# Altium PCB FPGA_SHIELD_MARK1_RA1_2.PcbDoc (part 4 of 4)
Units mil, origin at the board's own origin, x right, y up, seen from the top; angles counter-clockwise.
Board outline 3471 x 2686 mil, 4 copper layers (Top Layer, GND, VDD, Bottom Layer); 176 components, 185 nets, 820 pads, 591 vias.
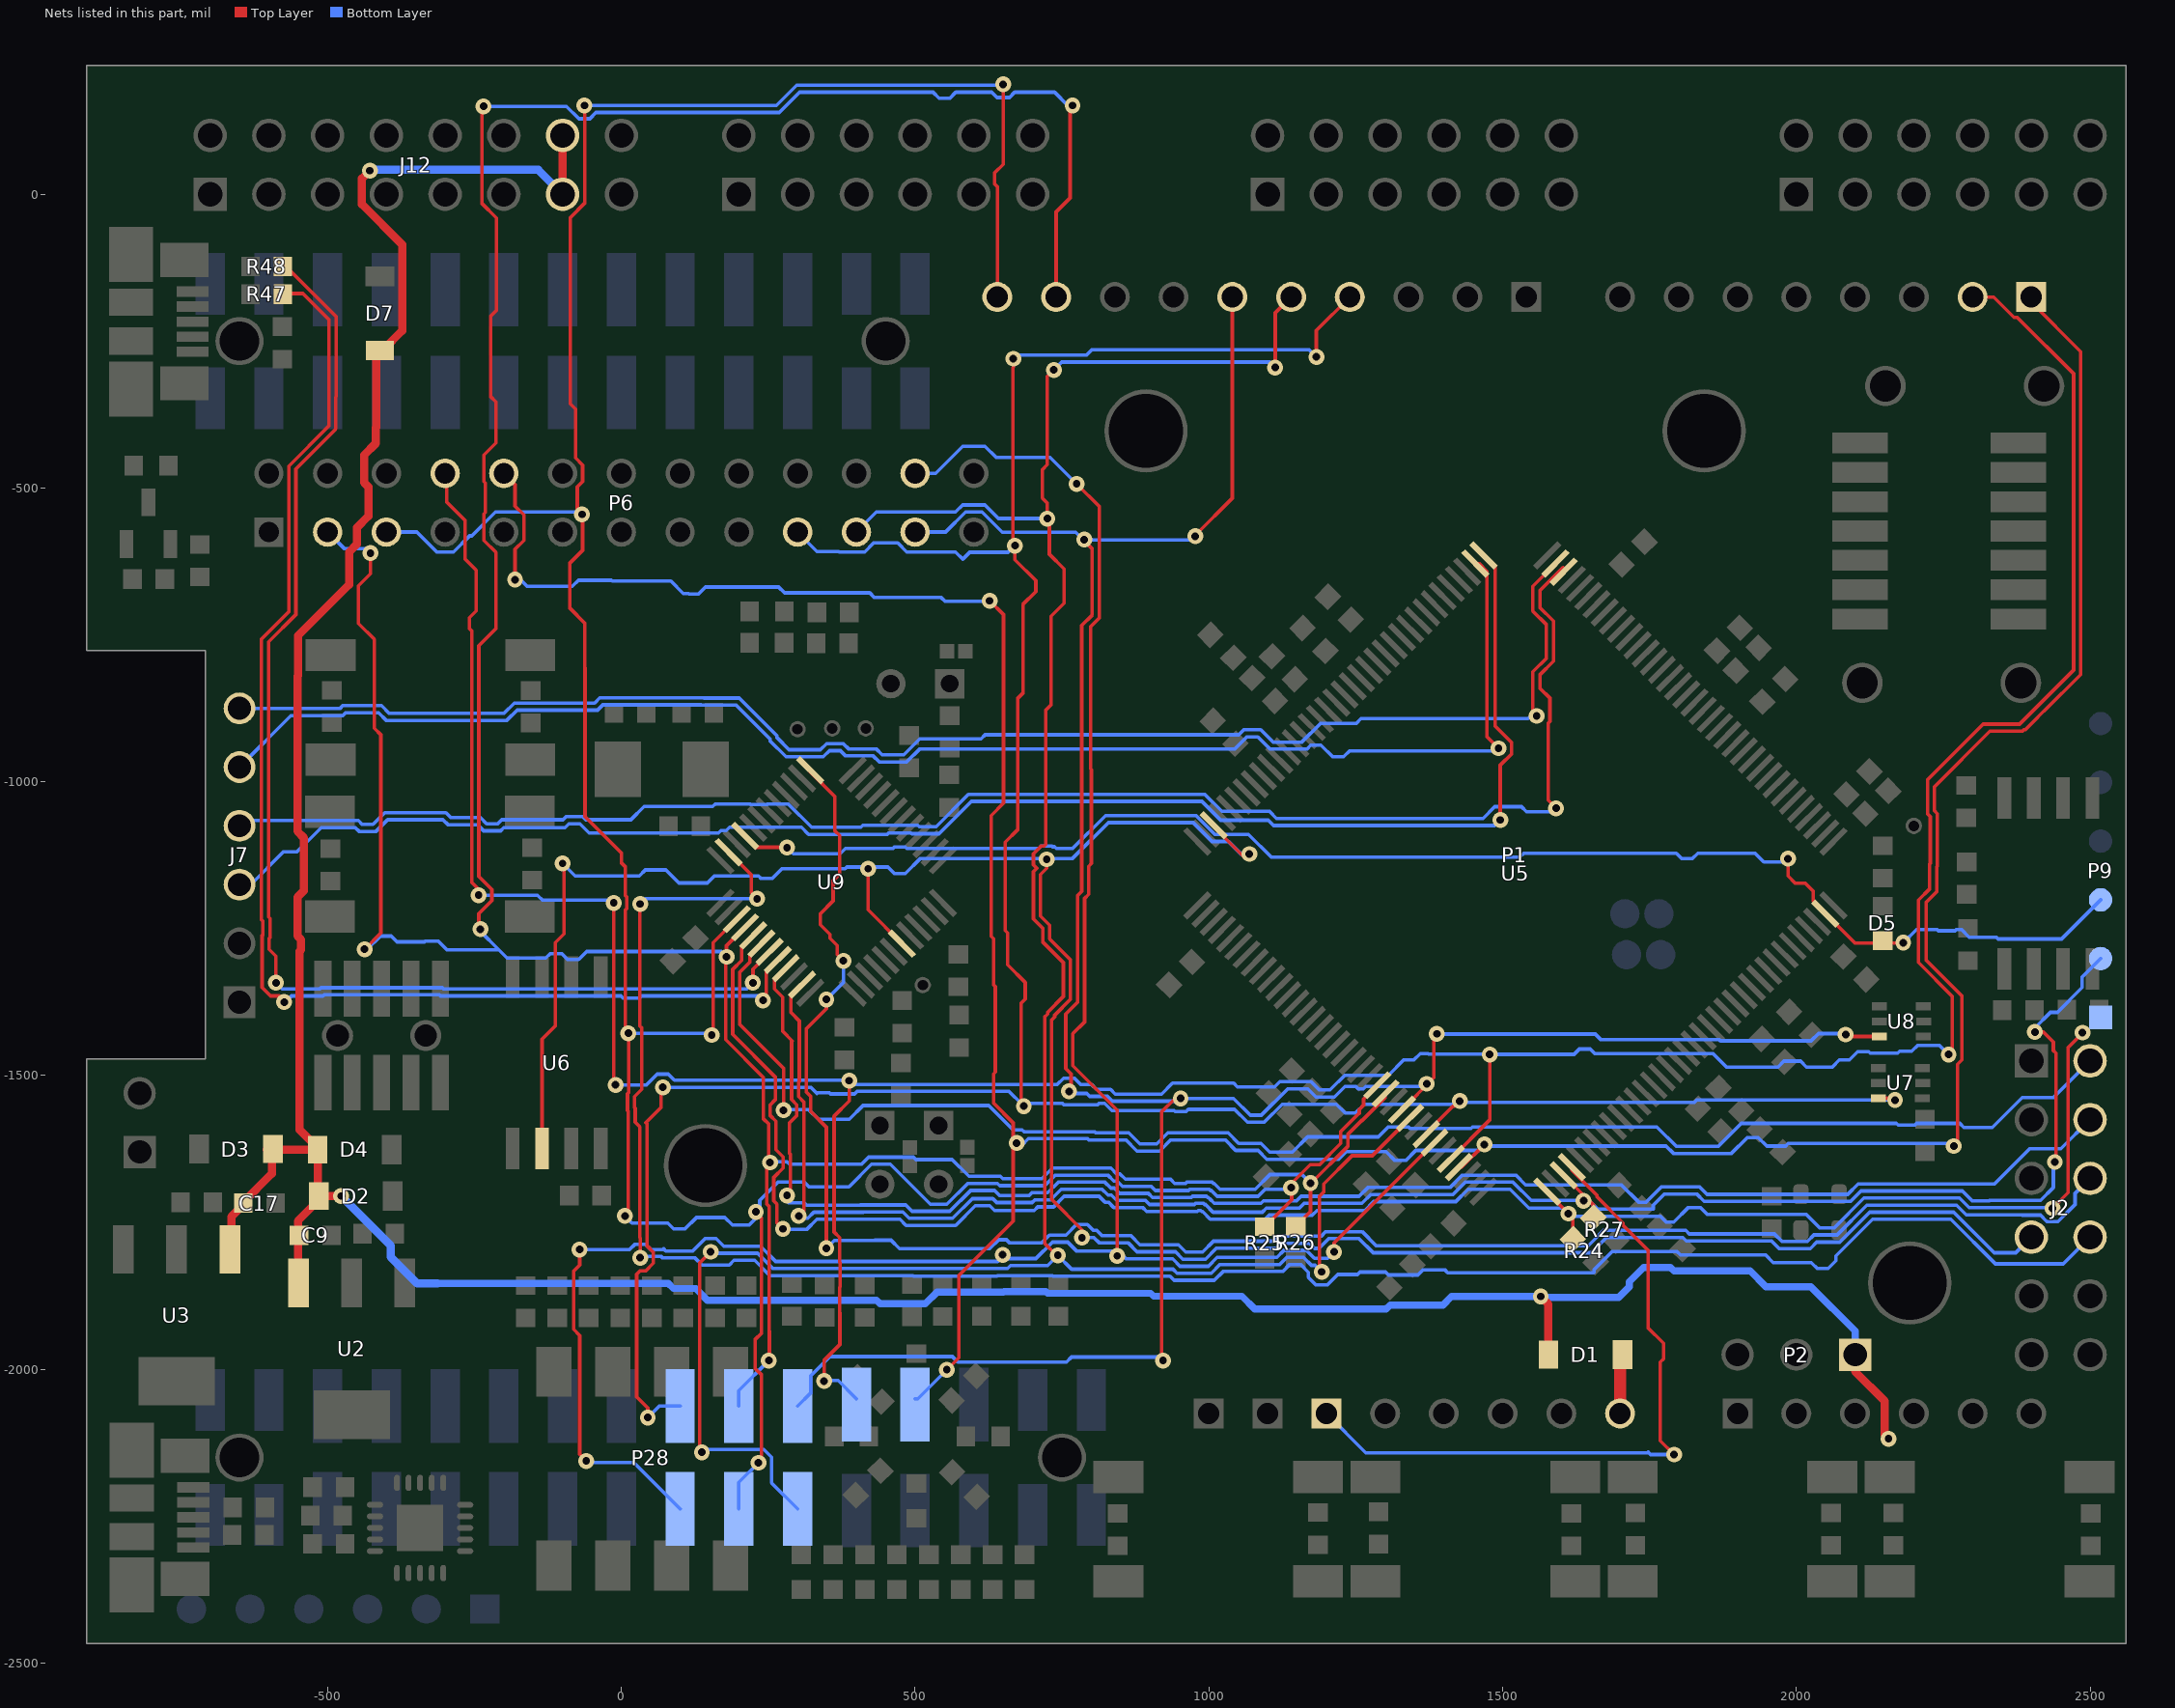
[diagram p6: the nets of this part, all layers, seen from the top]

## Via types
v1: diameter 27, hole 13, Top Layer to Bottom Layer, 574 vias
v2: diameter 27, hole 13, Top Layer to Bottom Layer, tented both sides, 17 vias

## Nets (pads, with @x,y where several pads share a name; then routed paths per layer and width w, separated by ;. In a path a pad name is that pad's centre, name@x,y a point inside that pad or via, vN(x,y) a via of type N, cw(c..) or ccw(c..) an arc to the next point about the centre after c; other vN are vias at no path point) (continued)
PMOD6_7: J2.7 U9.18 | length 2724.5
  Top Layer w6: U9.18@238.19,-1275.62 218.75,-1295.06 218.75,-1307.04 201.5,-1324.29 201.5,-1413 276,-1487.5 v1(276,-1559) v1@280,-1559
  Bottom Layer w6: v1@276,-1558.27 319.45,-1558.27 335.68,-1574.5 387.77,-1574.5 411.27,-1551 625.5,-1551 667,-1592.5 682.32,-1592.5 685.32,-1595.5 804.94,-1595.5 806.94,-1597.5 863.71,-1597.5 882.71,-1616.5 911.29,-1616.5 930.29,-1597.5 1032.8,-1597.5 1050.8,-1615.5 1088.74,-1615.5 1103.74,-1630.5 1142.26,-1630.5 1168.26,-1604.5 1288.41,-1604.5 1305.41,-1587.5 1340,-1587.5 1342.31,-1589.81 1446.26,-1589.81 1448.57,-1587.5 1762.71,-1587.5 1795.71,-1620.5 1867.29,-1620.5 1906.29,-1581.5 2170.26,-1581.5 2173.21,-1584.45 2201.79,-1584.45 2204.74,-1581.5 2278.29,-1581.5 2285.29,-1588.5 2333.47,-1588.5 2384.47,-1537.5 2437.5,-1537.5 J2.7@2500,-1475
PMOD6_8: J2.8 U9.21 | length 2806.8
  Top Layer w6: U9.21@279.95,-1317.38 260.51,-1336.82 260.51,-1352.43 274.43,-1366.35 274.43,-1424.62 290.94,-1441.13 289.7,-1442.37 289.7,-1540.88 298.5,-1549.68 298.5,-1568.32 286.31,-1580.51 286.31,-1632.51 287.51,-1633.7 287.51,-1698.49 v1(282,-1704)
  Bottom Layer w6: v1@284.52,-1716.5 311.32,-1716.5 315.32,-1720.5 406.89,-1720.5 407.03,-1720.35 484,-1720.35 494.64,-1731 559.05,-1731 594.55,-1695.5 635.23,-1695.5 644,-1704.27 694.12,-1704.27 698.89,-1699.5 725.83,-1699.5 743.83,-1681.5 823.14,-1681.5 833.14,-1691.5 838.92,-1691.5 847.92,-1700.5 897.11,-1700.5 904.11,-1707.5 970.26,-1707.5 972.26,-1705.5 995.77,-1705.5 997.77,-1707.5 999.23,-1707.5 1002.2,-1710.47 1009.23,-1717.5 1088.95,-1717.5 1092.95,-1713.5 1149.32,-1713.5 1157.22,-1705.6 1255.7,-1705.6 1270.8,-1690.5 1410.38,-1690.5 1431.38,-1669.5 1522.77,-1669.5 1539.28,-1686 1702.18,-1686 1731.68,-1715.5 1744.32,-1715.5 1770.32,-1689.5 1835.26,-1689.5 1847.97,-1702.21 2087.46,-1702.21 2105.17,-1684.5 2337.47,-1684.5 2359.16,-1662.81 ; J2.8@2500,-1575 2450.38,-1624.62 2397.35,-1624.62 2369,-1652.97 ; 2359.16,-1662.81 2369,-1652.97 ; 2359.16,-1662.81 2369,-1652.97
PMOD6_9: J2.9 U9.1 | length 3229.1
  Top Layer w6: U9.1@321.71,-980.53 321.71,-983.37 363.5,-1025.16 363.5,-1083.47 371.4,-1091.37 371.4,-1157.47 360.5,-1168.37 360.5,-1202.68 338.5,-1224.68 338.5,-1243.32 355,-1259.82 355,-1266.3 367.5,-1278.8 367.5,-1294.19 v1(378,-1304.69) ; v1(349,-1794) 349,-1587.82 322.5,-1561.32 322.5,-1535.74 314.94,-1528.18 314.94,-1420.41 349,-1386.34 v1(349,-1370.46)
  Bottom Layer w6: v1(349,-1794) 362.5,-1780.5 431.74,-1780.5 431.88,-1780.35 459.15,-1780.35 473.29,-1794.5 627.29,-1794.5 642.29,-1779.5 655.32,-1779.5 660.32,-1784.5 715.71,-1784.5 728.71,-1771.5 756.68,-1771.5 774.68,-1753.5 793.32,-1753.5 803.32,-1763.5 809.09,-1763.5 818.09,-1772.5 867.29,-1772.5 882.79,-1788 948.21,-1788 960.71,-1800.5 989.29,-1800.5 1007.79,-1782 1109.3,-1782 1117.8,-1773.5 1191.04,-1773.5 1198.95,-1765.6 1260.78,-1765.6 1284.68,-1789.5 1645.77,-1789.5 1671.77,-1763.5 1811.68,-1763.5 1817.68,-1769.5 1962.68,-1769.5 1975.68,-1782.5 2018.71,-1782.5 2030,-1771.21 2069.37,-1771.21 2120.08,-1720.5 2272.74,-1720.5 2289.23,-1736.99 2383.96,-1736.99 2384.47,-1737.5 2415.53,-1737.5 2426.53,-1748.5 2445.32,-1748.5 2474.5,-1719.32 2474.5,-1700.5 J2.9@2500,-1675 ; v1(349,-1370.46) 378,-1341.46 v1(378,-1304.69)
PMOD6_10: J2.10 U9.11 | length 3577.5
  Top Layer w6: v1@31.82,-1208.18 31.55,-1208.45 31.55,-1415.73 34.5,-1418.68 34.5,-1523.68 22.51,-1535.67 22.51,-1554.31 23.51,-1555.31 23.51,-1579.31 31.51,-1587.31 31.51,-1775.8 32,-1776.29 v1(32,-1810) ; U9.11@182.52,-1119.73 221,-1158.21 221,-1189.09 v1(231.09,-1199.19)
  Bottom Layer w6: v1@31.82,-1208.18 v1(32,-1208) 40.81,-1199.19 v1(231.09,-1199.19) ; v1(32,-1810) 32,-1812 36,-1808 68.03,-1808 70.54,-1810.51 101.67,-1810.51 ; 101.68,-1810.5 125.51,-1810.5 137.51,-1822.5 183.68,-1822.5 191.68,-1814.5 226.81,-1814.5 252.81,-1840.5 496.01,-1840.5 497.01,-1841.5 639.4,-1841.5 640.4,-1840.5 733.6,-1840.5 734.6,-1841.5 933.83,-1841.5 940.83,-1848.5 1009.17,-1848.5 1024.17,-1833.5 1125.68,-1833.5 1137.68,-1821.5 1156.32,-1821.5 1169.5,-1834.68 1169.5,-1843.32 1182.68,-1856.5 1201.32,-1856.5 1219.32,-1838.5 1253.32,-1838.5 1257.33,-1834.49 1300.76,-1834.49 1305.77,-1839.5 1355.68,-1839.5 1364.68,-1830.5 1401.54,-1830.5 1406.54,-1835.5 1654.68,-1835.5 1655.5,-1834.68 1655.5,-1830.68 1686.68,-1799.5 1796.77,-1799.5 1802.77,-1805.5 1947.77,-1805.5 1960.77,-1818.5 2025.7,-1818.5 2035.69,-1828.49 2054.33,-1828.49 2067.51,-1815.31 2067.51,-1807.01 2130.02,-1744.5 2262.8,-1744.5 2338.8,-1820.5 2454.5,-1820.5 J2.10@2500,-1775
SCK: J2.4 U5.142 U6.6 U9.31 | length 4452.1
  Top Layer w6: U6.6@-135,-1624.09 -135,-1438 -112.5,-1415.5 -112.5,-1273.92 -97.5,-1258.92 -97.5,-1141.5 v1(-100,-1139) ; v1(420,-1148) 420,-1218.02 U9.31@477.61,-1275.62 ; v1(724,-1132) 724,-1147.24 713.5,-1157.74 713.5,-1228.32 729.17,-1243.99 729.17,-1267.41 764.5,-1302.74 764.5,-1370.29 737.5,-1397.29 737.5,-1400.29 732.5,-1405.29 732.5,-1710.88 784,-1762.38 v1(784,-1776) ; U5.142@1008.37,-1073.88 1008.37,-1076.66 v1@1061.71,-1130
  Bottom Layer w6: v1(-100,-1139) -78.81,-1160.19 30.49,-1160.19 40.68,-1150 75.58,-1150 97.77,-1172.19 146.23,-1172.19 158.23,-1160.19 233.36,-1160.19 237.86,-1164.69 256.5,-1164.69 273.19,-1148 380.87,-1148 383.68,-1145.19 453.68,-1145.19 464.68,-1156.19 483.32,-1156.19 509.01,-1130.5 768.09,-1130.5 829.09,-1069.5 973.32,-1069.5 1005.32,-1101.5 1033.21,-1101.5 1054.71,-1123 v1(1069,-1123) ; v1(784,-1776) 783.5,-1775.5 804.12,-1775.5 813.12,-1784.5 862.32,-1784.5 877.82,-1800 943.24,-1800 955.74,-1812.5 994.26,-1812.5 1012.76,-1794 1114.27,-1794 1122.77,-1785.5 1171.23,-1785.5 1179.89,-1794.16 1187.35,-1794.16 1190.74,-1790.78 1203.92,-1777.6 1255.81,-1777.6 1279.71,-1801.5 1650.74,-1801.5 1676.74,-1775.5 1806.71,-1775.5 1812.71,-1781.5 1957.71,-1781.5 1970.71,-1794.5 2023.68,-1794.5 2034.69,-1783.49 2074.06,-1783.49 2125.05,-1732.5 2267.77,-1732.5 2336.77,-1801.5 2373.5,-1801.5 J2.4@2400,-1775
SHIELD_RST: P1.A1 U5.40 | length 1188.3
  Top Layer w6: U5.40@1618.04,-1655.71 1618.04,-1661.22 1660.5,-1703.68 1660.5,-1706.47 1705.17,-1751.14 1705.17,-1754.62 1747.5,-1796.96 1747.5,-1929.32 1774,-1955.82 1774,-1982.18 1768.5,-1987.68 1768.5,-2121.5 v1(1792,-2145)
  Bottom Layer w6: P1.A1@1200,-2075 1267,-2142 1749,-2142 ; 1748,-2141 1749,-2142 ; v1(1792,-2145) 1752,-2145 1749,-2142
SHIELD_VIN: D1.2 P1.A6 | length 88.7
  Top Layer w20: P1.A6@1700,-2075 1700,-1991.99 D1.2@1703.99,-1988
SLAVE_CFG_DONE: D5.A P9.3 U5.71 U9.9 | length 2539.2
  Top Layer w6: U9.9@210.35,-1091.89 229.79,-1111.33 281.33,-1111.33 v1(282,-1112) ; v1(1985.85,-1131) 1985.85,-1160.51 1997.84,-1172.5 2015.32,-1172.5 2028.5,-1185.68 2028.5,-1202.18 2049.55,-1223.23 U5.71@2049.55,-1224.21 2099.87,-1274.53 2181.47,-1274.53 v1(2182,-1274)
  Bottom Layer w6: v1@277.69,-1107.69 v1(282,-1112) 292.5,-1122.5 372.42,-1122.5 381.42,-1113.5 462.37,-1113.5 464.68,-1111.19 483.32,-1111.19 485.63,-1113.5 710.68,-1113.5 714.68,-1109.5 733.32,-1109.5 734.32,-1110.5 737.32,-1110.5 740.32,-1113.5 768.12,-1113.5 824.12,-1057.5 978.29,-1057.5 1010.29,-1089.5 1067.32,-1089.5 1106.32,-1128.5 1529.29,-1128.5 1536.29,-1121.5 1795.68,-1121.5 1804.68,-1130.5 1823.32,-1130.5 1832.32,-1121.5 1929.68,-1121.5 1944.68,-1136.5 1980.35,-1136.5 v1(1985.85,-1131) ; v1(2182,-1274) 2204.5,-1251.5 2239.71,-1251.5 2241.71,-1253.5 2270.29,-1253.5 2272.29,-1251.5 2281.32,-1251.5 2294.32,-1264.5 2340.68,-1264.5 2343.68,-1267.5 2451.5,-1267.5 P9.3@2518,-1201
SLAVE_CFG_INIT_B: P9.2 R27.1 U5.39 U9.23 | length 3235
  Top Layer w6: v1(302,-1739) 310.5,-1730.5 310.5,-1544.71 301.7,-1535.91 301.7,-1511.48 302.94,-1510.24 302.94,-1407.09 288.35,-1392.5 288.35,-1364.66 U9.23@307.79,-1345.22 ; U5.39@1604.13,-1669.63 v1@1642.75,-1708.25 ; v1@1643,-1708.5 1654.57,-1720.08 R27.1@1654.57,-1742.04 ; v1(2406,-1426) 2420.73,-1426 2437.5,-1442.77 2437.5,-1457.5 2442,-1462 v1@2442,-1647.12
  Bottom Layer w6: v1@312,-1743 317.27,-1743 327.77,-1732.5 411.86,-1732.5 412,-1732.35 479.03,-1732.35 489.67,-1743 564.02,-1743 597.52,-1709.5 632.26,-1709.5 639.03,-1716.27 699.09,-1716.27 703.86,-1711.5 730.8,-1711.5 748.8,-1693.5 818.17,-1693.5 828.17,-1703.5 833.95,-1703.5 842.95,-1712.5 892.14,-1712.5 899.14,-1719.5 975.23,-1719.5 977.23,-1717.5 990.8,-1717.5 992.8,-1719.5 994.26,-1719.5 1007.26,-1732.5 1090.92,-1732.5 1097.92,-1725.5 1154.29,-1725.5 1162.19,-1717.6 1260.67,-1717.6 1275.77,-1702.5 1415.35,-1702.5 1436.35,-1681.5 1517.8,-1681.5 1548.8,-1712.5 v1@1639,-1712.5 ; v1@1643,-1708.5 1662,-1727.5 1755.84,-1727.5 1756.5,-1726.84 1756.5,-1720.68 1775.68,-1701.5 1830.29,-1701.5 1843,-1714.21 2092.43,-1714.21 2110.14,-1696.5 2282.68,-1696.5 2299.17,-1712.99 2328.4,-1712.99 2328.89,-1712.5 2415.53,-1712.5 2437.5,-1690.53 2437.5,-1649.62 v1(2440,-1647.12) ; v1(2406,-1426) 2406,-1419.18 2432.68,-1392.5 2444.32,-1392.5 2486.5,-1350.32 2486.5,-1332.5 P9.2@2518,-1301
  other v1: 1638,-1713
SLAVE_CFG_PROG_B: P9.1 R24.1 U5.37 U9.17 | length 3297.4
  Top Layer w6: U9.17@224.27,-1261.7 204.83,-1281.14 204.83,-1303.99 189.5,-1319.32 189.5,-1430 262,-1502.5 262,-1541.18 253.5,-1549.68 253.5,-1568.32 263,-1577.82 263,-1626.16 275.51,-1638.67 275.51,-1657.31 259.5,-1673.32 259.5,-1713.32 259.72,-1713.54 ; 259.72,-1713.93 259.72,-1713.54 ; v1(275,-1761) 264.94,-1750.94 264.94,-1718.76 259.72,-1713.54 ; U5.37@1576.29,-1697.47 1576.29,-1699.29 v1(1612,-1735) ; R24.1@1619.51,-1778.51 v1@1619.51,-1740.69 ; v1(2436,-1726) 2462.5,-1699.5 2462.5,-1452.5 2487,-1428 v1(2487,-1427)
  Bottom Layer w6: v1(275,-1761) 274.01,-1761.99 315.24,-1762 332.74,-1744.5 416.83,-1744.5 416.97,-1744.35 474.06,-1744.35 484.7,-1755 568.99,-1755 602.49,-1721.5 627.29,-1721.5 635.29,-1729.5 702.83,-1729.5 708.83,-1723.5 735.77,-1723.5 753.77,-1705.5 813.2,-1705.5 823.2,-1715.5 828.98,-1715.5 837.98,-1724.5 887.17,-1724.5 894.17,-1731.5 980.2,-1731.5 982.2,-1729.5 985.83,-1729.5 987.83,-1731.5 989.29,-1731.5 1002.29,-1744.5 1095.89,-1744.5 1102.89,-1737.5 1176.13,-1737.5 1184.03,-1729.6 1265.64,-1729.6 1280.74,-1714.5 1420.32,-1714.5 1441.32,-1693.5 1512.83,-1693.5 1544.78,-1725.45 1602.45,-1725.45 v1(1612,-1735) 1616.5,-1739.5 1768.68,-1739.5 1778.68,-1749.5 1791.32,-1749.5 1816.32,-1724.5 1836.32,-1724.5 1848.32,-1736.5 2016.97,-1736.5 2039.68,-1759.21 2064.4,-1759.21 2115.11,-1708.5 2277.71,-1708.5 2294.2,-1724.99 2434.99,-1724.99 v1(2436,-1726)
SYS_I2C_SCL: P1.D10 P6.5 P28.19 R25.1 U5.23 U9.15 | length 5921.5
  Top Layer w6: v1@-75,-534.95 -75,-498.08 -66,-489.08 -66,-460.92 -78,-448.92 -78,-365.82 -87,-356.82 -87,-40.03 -62.5,-15.53 -62.5,150.5 v1(-63,151) ; v1@-66,-545 -66,-606.05 -87.5,-627.55 -87.5,-704.68 -62.5,-729.68 -62.5,-805.29 -61.79,-806 -61.79,-1059.42 0.41,-1121.62 0.41,-1138.59 7,-1145.18 7,-1194.18 9.5,-1196.68 9.5,-1215.32 7,-1217.82 7,-1423 v1(12,-1428) 12.5,-1428.5 12.5,-1528.71 10.51,-1530.7 10.51,-1559.28 11.51,-1560.28 11.51,-1733.49 v1(6.01,-1738.99) ; v1(153.76,-1431) 156.5,-1428.26 156.5,-1273.8 U9.15@196.44,-1233.87 ; v1@226,-1730 238.73,-1742.73 238.73,-1938.3 227.5,-1949.53 227.5,-1998.32 238.73,-2009.55 238.73,-2153.63 v1(233.36,-2159) ; P1.D10@640,-175 640,13.03 635.5,17.53 635.5,36.32 650,50.82 v1(650,187) ; R25.1@1095,-1757.44 1141,-1711.44 v1@1141,-1698 ; v1@1143,-1681.18 1172.73,-1651.46 1188.72,-1651.46 1224.48,-1615.7 1224.48,-1595.23 1255.18,-1564.52 1256,-1564.52 1256,-1557.82 1263.5,-1550.32 1263.5,-1539.77 U5.23@1286.76,-1516.51
  Bottom Layer w6: P6.5@-400,-575 -348.08,-575 -314.08,-609 -285.92,-609 -258.38,-581.46 -254.54,-581.46 -214.08,-541 -71,-541 v1(-67,-545) ; v1(-63,151) 264.03,151 298.53,185.5 648.5,185.5 v1(650,187) ; v1(6.01,-1738.99) 18.02,-1751 78.91,-1751 88.91,-1761 108.27,-1761 127.77,-1741.5 176.23,-1741.5 189.23,-1754.5 217.5,-1754.5 v1@229.01,-1742.99 ; v1(12,-1428) v1@153.76,-1428 ; P28.19@200,-2237.5 200,-2192.36 v1(233.36,-2159) ; v1@235.59,-1732 235.59,-1712.41 266.5,-1681.5 311.46,-1681.5 319.45,-1689.49 387.42,-1689.49 425.92,-1651 457.92,-1651 525.92,-1719 554.08,-1719 589.58,-1683.5 640.2,-1683.5 644.2,-1687.5 720.86,-1687.5 738.86,-1669.5 828.11,-1669.5 838.11,-1679.5 843.89,-1679.5 852.89,-1688.5 902.08,-1688.5 909.08,-1695.5 965.29,-1695.5 967.29,-1693.5 1000.74,-1693.5 1002.74,-1695.5 1004.2,-1695.5 1014.2,-1705.5 1083.98,-1705.5 1095.98,-1693.5 1137.5,-1693.5 v1(1140,-1691)
  other v1: 229,-1732
SYS_I2C_SDA: P1.D9 P6.3 P28.20 R26.1 U5.24 U9.16 | length 6526.2
  Top Layer w6: v1(-437.03,-1285) -409.5,-1257.47 -409.5,-920 -420.5,-909 -420.5,-757.47 -447.5,-730.47 -447.5,-666.68 -427,-646.18 v1(-427,-611) ; v1(-240,-1251) -242.5,-1248.5 -242.5,-1224.32 -220.5,-1202.32 -220.5,-1183.37 -242.5,-1161.37 -242.5,-768.32 -213.5,-739.32 -213.5,-609.58 -234,-589.08 -234,-543.97 -231.5,-541.47 -231.5,-491.58 -234,-489.08 -234,-443.97 -213.5,-423.47 -213.5,-353.37 -222.71,-344.16 -222.71,-207.89 -212.5,-197.68 -212.5,-40.53 -237.5,-15.53 -237.5,146.73 v1(-234.73,149.5) ; U9.16@210.35,-1247.78 179,-1279.14 v1(179,-1298) 177.5,-1299.5 177.5,-1439 241.5,-1503 241.5,-1573.29 251,-1582.79 v1@251,-1647 ; v1(251,-1985) 252,-1984 252,-1935 ; 251.51,-1935 251.51,-1722.69 247.72,-1718.9 247.72,-1718.51 247.5,-1718.29 247.5,-1653.5 v1(253.01,-1647.99) v1@251.51,-1646.49 ; P1.D9@740,-175 740,-30.19 763.95,-6.25 763.95,146.95 v1(768,151) ; R26.1@1148,-1756.44 1173,-1731.44 v1(1173,-1683) 1174.15,-1683 1236.48,-1620.67 1236.48,-1600.2 1260.15,-1576.52 1260.97,-1576.52 1299.6,-1537.89 1299.6,-1531.51 U5.24@1300.68,-1530.43
  Bottom Layer w6: P6.3@-500,-575 -472,-603 -435,-603 v1(-427,-611) ; v1(-437.03,-1285) -436.03,-1286 -433.82,-1286 -410.32,-1262.5 -391.68,-1262.5 -381.68,-1272.5 -334.82,-1272.5 -333.68,-1271.36 -311.64,-1271.36 -297,-1286 -208.52,-1286 ; v1(-240,-1251) -240,-1254.52 -208.52,-1286 ; v1(-234.73,149.5) -93.32,149.5 -72.32,128.5 -53.68,128.5 -43.18,139 269,139 303.5,173.5 530.68,173.5 540.68,163.5 559.32,163.5 569.32,173.5 630.44,173.5 639.44,164.5 660.56,164.5 669.56,173.5 737.45,173.5 759.95,151 v1(768,151) ; v1(179,-1298) 169.87,-1288.87 -59.05,-1288.87 -72.68,-1302.5 -91.32,-1302.5 -101.32,-1292.5 -120.98,-1292.5 -128.68,-1300.2 -194.32,-1300.2 -208.52,-1286 ; P28.20@200,-2062.5 200,-2036 v1(251,-1985) ; v1@253.01,-1646.68 281.69,-1646.68 286.01,-1651 408.95,-1651 420.95,-1639 497.33,-1639 501.33,-1643 563.05,-1643 591.55,-1671.5 645.17,-1671.5 649.17,-1675.5 715.89,-1675.5 733.89,-1657.5 833.08,-1657.5 843.08,-1667.5 848.86,-1667.5 857.86,-1676.5 934.68,-1676.5 941.68,-1683.5 960.32,-1683.5 962.32,-1681.5 1005.71,-1681.5 1007.71,-1683.5 1009.17,-1683.5 1019.17,-1693.5 1079,-1693.5 1104,-1668.5 1158.5,-1668.5 v1(1173,-1683)
SYS_RX: P1.C1 P6.10 P28.26 U5.33 | length 5938.8
  Top Layer w6: P6.10@-200,-475 -181,-494 -181,-530.92 -166,-545.92 -166,-589.08 -181,-604.08 v1(-181,-656) ; v1(554,-2000.74) 574.5,-1980.24 574.5,-1840.32 667,-1747.82 v1@667,-1621 ; v1(627,-692) 650.5,-715.5 650.5,-1036.45 629.5,-1057.45 629.5,-1263.11 633.5,-1267.11 633.5,-1345.71 636.5,-1348.71 636.5,-1494.02 633.5,-1497.02 633.5,-1547 667,-1580.5 v1@667,-1621 ; v1(673,-1615) v1@667,-1621 ; U5.33@1425.96,-1655.71 1430.79,-1655.71 v1(1469,-1617.5) ; v1(2268,-1620) 2274.27,-1613.73 2274.27,-1480.81 2281.76,-1473.32 2281.76,-1364.55 2221,-1303.79 2221,-1205.21 2239,-1187.21 2239,-1144.85 2240,-1143.85 2240,-1054.32 2235.25,-1049.56 2235.25,-1008.37 2329.62,-914 2384.97,-914 2387.47,-911.5 2390,-911.5 2401.5,-900 2401.5,-899.71 2421.71,-879.5 2422,-879.5 2484,-817.5 2484,-268 2400,-184 P1.C1@2400,-175
  Bottom Layer w6: v1(-181,-656) -181,-647 -160.5,-667.5 -83.5,-667.5 -73,-657 -16.97,-657 -15.47,-658.5 84.23,-658.5 105.23,-679.5 114.14,-679.5 115.14,-680.5 131.29,-680.5 143.29,-668.5 267.74,-668.5 277.74,-678.5 422.74,-678.5 430.74,-686.5 544.62,-686.5 551.12,-693 626,-693 v1(627,-692) ; P28.26@500,-2050 504.74,-2050 v1(554,-2000.74) ; v1(673,-1615) 668.5,-1619.5 681.03,-1619.5 693.03,-1607.5 794,-1607.5 796,-1609.5 858.74,-1609.5 877.74,-1628.5 916.26,-1628.5 935.26,-1609.5 1027.83,-1609.5 1045.83,-1627.5 1083.77,-1627.5 1098.77,-1642.5 1220.71,-1642.5 1233.71,-1629.5 1301.68,-1629.5 1316.68,-1644.5 1335.32,-1644.5 1352.32,-1627.5 1459,-1627.5 v1(1469,-1617.5) 1471.5,-1620 1778.24,-1620 1790.74,-1632.5 1889.68,-1632.5 1916.68,-1605.5 1935.32,-1605.5 1949.82,-1620 1981.74,-1620 1986.24,-1615.5 2263.5,-1615.5 v1(2268,-1620)